# Altium PCB V5_CORE_V1.6.PcbDoc (part 2 of 3)
Units mm, origin at the board's own origin, x right, y up, seen from the top; angles counter-clockwise.
Board outline 33.75 x 33.75 mm, 6 copper layers (Top Layer, GND, S1, S2, POWER, Bottom Layer), stack 1.231 mm thick; 143 components, 224 nets, 730 pads, 388 vias.
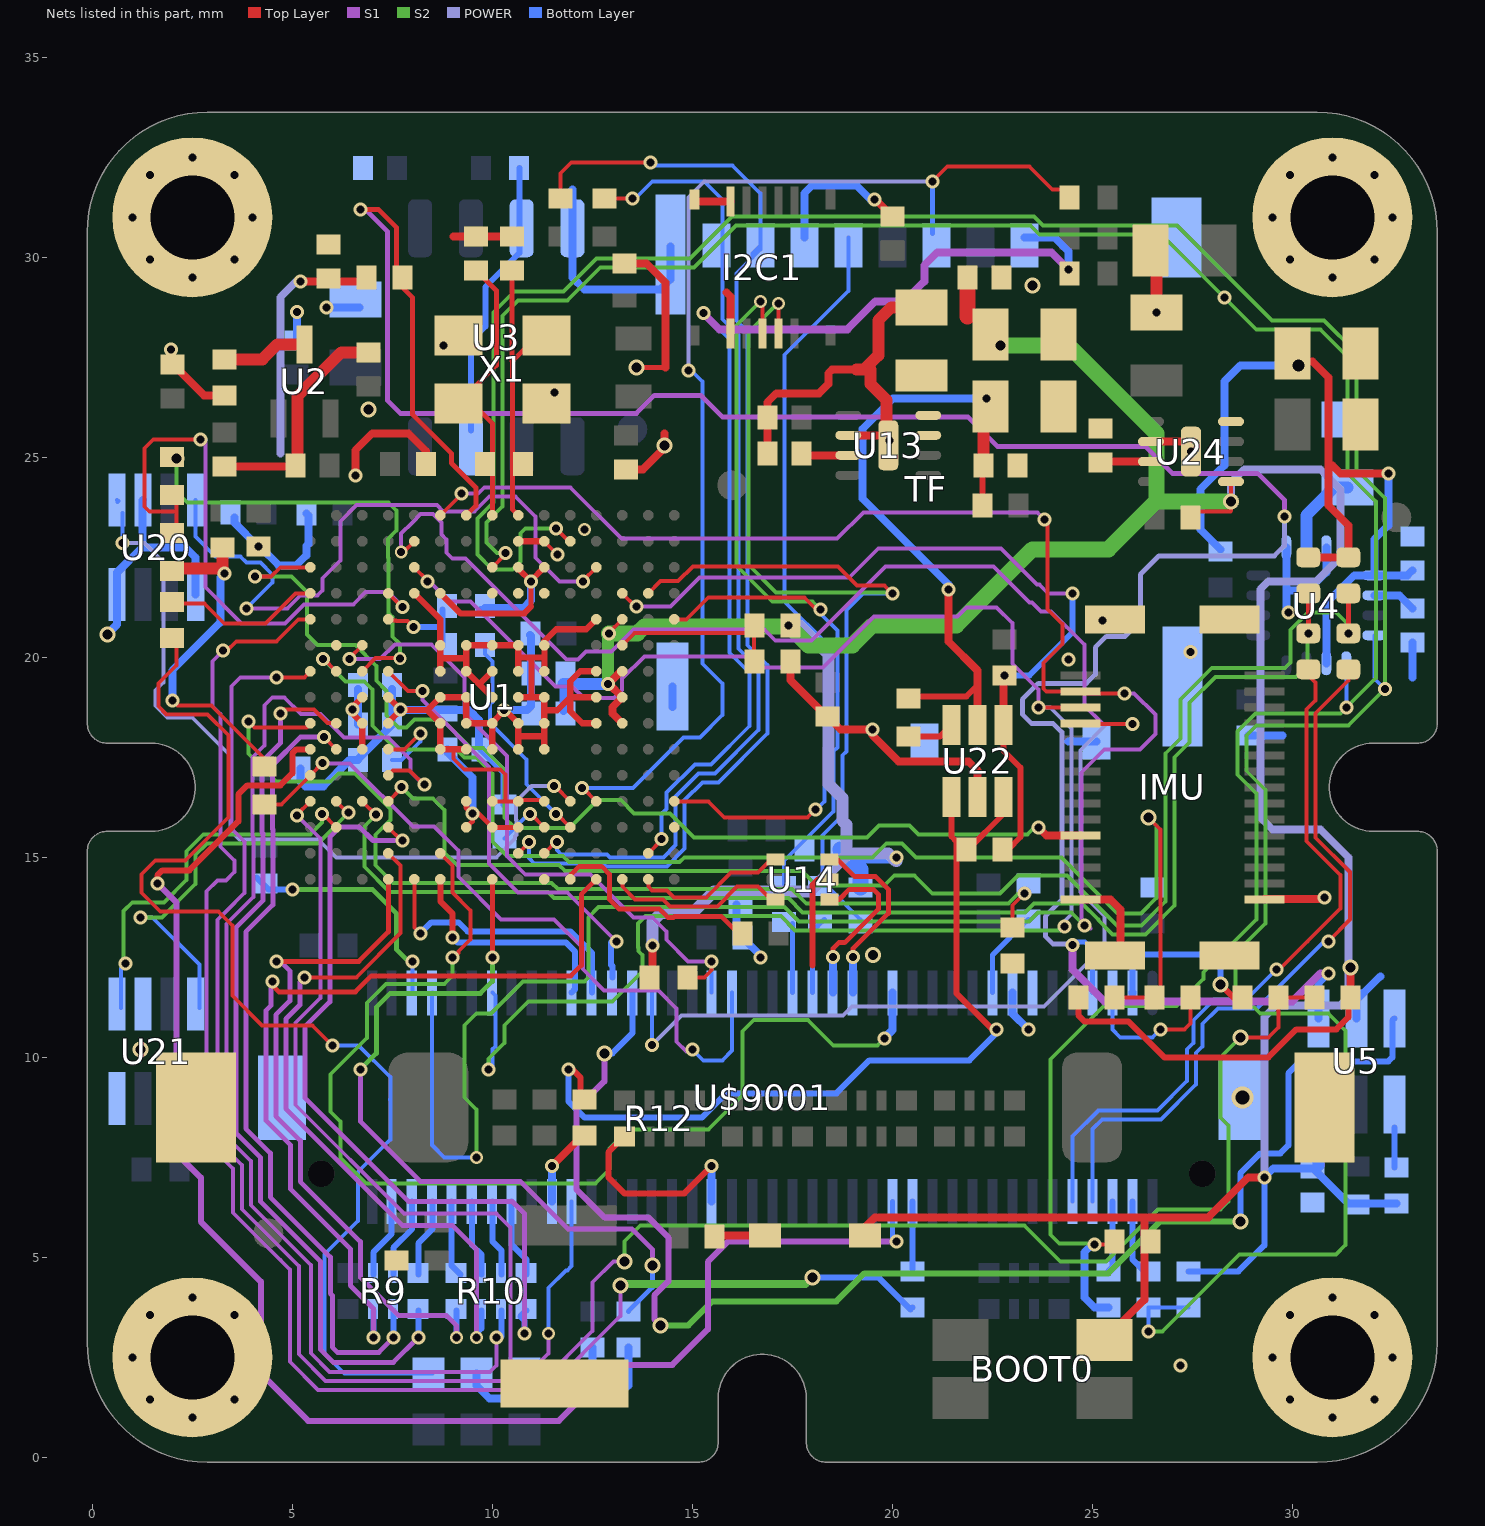
[diagram p6: the nets of this part, all layers, seen from the top]

## Via types
v1: diameter 0.35, hole 0.2, Top Layer to Bottom Layer, tented both sides, 328 vias
v2: diameter 0.4, hole 0.25, Top Layer to Bottom Layer, tented both sides, 32 vias
v3: diameter 0.325, hole 0.2, Top Layer to Bottom Layer, tented both sides, 19 vias
v4: diameter 0.5, hole 0.3, Top Layer to Bottom Layer, tented both sides, 2 vias
v5: diameter 0.4, hole 0.2, Top Layer to Bottom Layer, tented both sides, 2 vias
v6: diameter 0.55, hole 0.35, Top Layer to Bottom Layer, tented both sides, 2 vias
v7: diameter 0.45, hole 0.25, Top Layer to Bottom Layer, tented both sides, 1 vias
v8: diameter 0.32, hole 0.2, Top Layer to Bottom Layer, tented both sides, 1 vias
v9: diameter 0.3, hole 0.2, Top Layer to Bottom Layer, tented both sides, 1 vias

## Nets (pads, with @x,y where several pads share a name; then routed paths per layer and width w, separated by ;. In a path a pad name is that pad's centre, name@x,y a point inside that pad or via, vN(x,y) a via of type N, cw(c..) or ccw(c..) an arc to the next point about the centre after c; other vN are vias at no path point) (continued)
FMU_CH2: R9.3 U1.D15 | length 21.2
  Top Layer w0.125: v1(4.5,11.9) 4.5,11.8 4.663,11.637 6.577,11.637 6.977,12.038 11.963,12.038 12.225,12.3 12.225,14.075 U1.D15@12.6,14.45
  S1 w0.125: v1(4.5,11.9) 4.462,11.862 4.462,11.289 4.337,11.164 4.337,8.423 4.95,7.811 4.95,6.711 6.45,5.211 6.45,4.296 7.025,3.721 v1(7.025,3)
  Bottom Layer w0.15: v1(7.025,3) R9.3@7.025,3.675
FMU_CH2-PROT: R9.6 U$9001.78 | length 2
  Bottom Layer w0.15: R9.6@7.025,4.575 7.025,5.125 7.486,5.586 U$9001.78@7.486,6.4
FMU_CH3: R9.2 U1.P10 | length 20.3
  Top Layer w0.1: v1@5.764,18.036 v1(5.789,18.011) U1.P10@6.1,17.7
  S1 w0.125: v1(5.789,18.011) 5.211,18.011 4.505,17.305 4.505,15.703 4.513,15.695 4.513,13.81 3.837,13.135 3.837,8.216 4.45,7.604 4.45,6.504 5.95,5.004 5.95,4.089 6,4.039 6,2.754 6.129,2.625 7.163,2.625 7.525,2.987 v1(7.525,3) ; v1@5.827,18.011 v1@5.827,18.097
  Bottom Layer w0.15: v1(7.525,3) R9.2@7.525,3.675
FMU_CH3-PROT: R9.7 U$9001.76 | length 2
  Bottom Layer w0.15: R9.7@7.525,4.575 7.525,5.236 7.994,5.705 U$9001.76@7.994,6.4
FMU_CH4: R9.1 U1.P9 | length 22.3
  Top Layer w0.1: v1@4.71,18.69 5.548,18.69 5.877,18.361 6.1,18.361 U1.P9@6.1,18.35
  S1 w0.125: v1(4.7,18.6) 4.7,17.854 4.237,17.391 4.237,15.617 4.263,15.592 4.263,13.913 3.587,13.238 3.587,8.113 4.2,7.5 4.2,6.4 5.7,4.9 5.7,2.7 6.025,2.375 7.529,2.375 8.15,2.996 v1(8.15,3)
  Bottom Layer w0.15: v1(8.15,3) R9.1@8.15,3.675
FMU_CH4-PROT: R9.8 U$9001.74 | length 2
  Bottom Layer w0.15: R9.8@8.15,4.575 8.15,5.35 8.502,5.702 U$9001.74@8.502,6.4
FMU_CH5: R10.4 U1.M15 | length 17.4
  Top Layer w0.125: v1(4.6,12.4) 6.664,12.4 7.4,13.136 U1.M15@7.4,14.45
  S1 w0.125: v1(4.6,12.4) 4.7,12.4 4.937,12.162 4.937,11.411 4.587,11.061 4.587,8.527 5.2,7.914 5.2,6.888 6.7,5.388 6.7,4.5 7.65,3.55 8.85,3.55 9.1,3.3 v3(9.1,3)
  Bottom Layer w0.15: v3(9.1,3) R10.4@9.1,3.675
FMU_CH5-PROT: R10.5 U$9001.72 | length 1.9
  Bottom Layer w0.15: U$9001.72@8.985,6.4 8.985,4.79 R10.5@9.2,4.575
FMU_CH6: R10.3 U1.M14 | length 17.5
  Top Layer w0.1: v1(5.3,12) 6.6,12 7.71,13.11 7.71,14.79 U1.M14@7.4,15.1
  S1 w0.125: v1(5.3,12) 5.187,11.887 5.187,11.307 4.837,10.957 4.837,8.715 7.752,5.8 9,5.8 9.6,5.2 v3(9.6,3)
  Bottom Layer w0.15: v3@9.6,3.1 9.725,3.225 R10.3@9.725,3.675
FMU_CH6-PROT: R10.6 U$9001.70 | length 1.9
  Bottom Layer w0.15: U$9001.70@9.493,6.4 9.493,5.307 9.725,5.075 R10.6@9.725,4.575
FMU_CH7: R10.2 U1.M11 | length 30.1
  Top Layer w0.1: U1.M11@7.4,17.05 7.515,17.165 7.935,17.165 8.283,16.817 v1(8.3,16.817)
  S1 w0.1: v1(8.3,16.817) 8.283,16.817 7.95,17.15 7.95,17.45 7.4,18 6.295,18 5.709,18.586 5.214,18.586 4.8,19 4.5,19 4.3,18.8 4.3,17.789 4,17.489 4,15.518 4.025,15.493 4.025,14.012 3.35,13.337 3.35,8.014 3.962,7.402 3.962,6.302 5.463,4.802 5.463,2.602 5.927,2.138 9.938,2.138 10.1,2.3 v1(10.1,3)
  Bottom Layer w0.15: v1(10.1,3) 10.2,3 10.225,3.025 R10.2@10.225,3.675
FMU_CH7-PROT: R10.7 U$9001.68 | length 1.9
  Bottom Layer w0.15: U$9001.68@10.001,6.4 10.001,5.399 10.225,5.175 R10.7@10.225,4.575
FMU_CH8: R10.1 U1.M13 | length 19.7
  Top Layer w0.1: U1.M13@7.4,15.75 7.733,15.417 v1(7.752,15.417)
  S1 w0.125: v1(7.752,15.417) 7.017,15.417 6.675,15.76 6.198,15.76 5.938,15.5 5.938,11.386 5.312,10.761 5.312,8.988 7.9,6.4 10.493,6.4 10.8,6.093 v1(10.8,3.1)
  Bottom Layer w0.15: v1(10.8,3.1) 10.8,3.425 10.7,3.525 R10.1@10.85,3.675
FMU_CH8-PROT: R10.8 U$9001.66 | length 2
  Bottom Layer w0.15: U$9001.66@10.483,6.4 10.483,5.317 10.85,4.95 R10.8@10.85,4.575
FMU_RESET: U5.3 U$9001.53 | length 34.6
  S1 w0.15: v2(12.8,10.1) 12.8,9.4 12.1,8.7 12.1,6.7 12.8,6 13.9,6 14.4,5.5 14.4,4.4 14.05,4.05 14.05,3.45 v2(14.2,3.3)
  S2 w0.15: v2(14.2,3.3) 14.9,3.3 15.5,3.9 18.6,3.9 19.3,4.6 25.4,4.6 26.7,5.9 v2(28.7,5.9)
  Bottom Layer w0.15: v2(12.8,10.1) 13,10.1 13.501,10.601 U$9001.53@13.501,11.608 ; v2(28.7,5.9) 28.7,7.1 29.2,7.6 29.7,7.6 29.9,7.8 29.9,9.6 30.2,9.9 32.4,9.9 32.5,10 32.5,10.925 U5.3@32.55,10.975
GND: C1.1 C2.1 C3.2 C4.2 C5.1 C6.1 C7.1 C8.1 C9.1 C10.1 C11.1 C12.C C13.1 C14.2 C15.2 C16.2 C17.C C18.1 C19.2 C20.2 C21.2 C22.2 C30.2 C31.2 C32.1 C33.1 C34.1 C46.2 C47.1 C48.1 C52.2 C54.2 C55.2 C62.1 C63.1 C69.2 C70.2 C71.1 C72.2 C73.2 D5.2 I2C1.1 I2C1.10 IMU.1 IMU.30 pad.0 R3.2 R4.1 R6.1 R13.2 R14.2 R18.2 R33.1 R36.1 R63.2 R64.2 R70.2 R72.1 R74.1 R77.1 TF.6 TF.9 U1.D5 U1.D7 U1.D8 U1.D9 U1.F2 U1.F6 U1.F7 U1.F8 U1.F9 U1.F10 U1.F12 U1.G2 U1.G6 U1.G7 U1.G8 U1.G9 U1.G10 U1.G12 U1.H6 U1.H7 U1.H8 U1.H9 U1.H10 U1.H12 U1.J6 U1.J7 U1.J8 U1.J9 U1.J10 U1.K6 U1.K7 U1.K8 U1.K9 U1.K10 U1.L4 U1.M8 U1.M9 U3.4 U4.9 U4.11 U5.2 U13.2 U14.2 U20.2 U20.5 U20.8 U21.2 U21.5 U21.8 U22.2 U24.2 U$9001.13 U$9001.15 U$9001.GND X1.2 X1.4 | length 116.8
  Top Layer w0.1: 8.367,18.683 8.383,18.683 ; 9.025,17.7 9.025,17.475 9.3,17.2 10.2,17.2 10.325,17.075 10.325,16.4 ; U1.H12@10,16.4 10.325,16.4 ; U1.F12@11.267,16.433 10.683,16.433 U1.G12@10.65,16.4 10.325,16.4 ; U1.F2@11.3,22.9 v1(11.625,22.575)
  Top Layer w0.125: v2(13.6,27.25) 14.325,27.25
  Top Layer w0.15: 10.65,20 10.975,20 ; 10.975,19 10.975,20 ; U1.F7@11.3,19.65 11.3,20 ; U1.F6@11.3,20.3 11.3,20 ; 18,12.3 18,14.3 18.141,14.441 U14.2@18.435,14.441 ; 10.975,20 11.3,20
  Top Layer w0.154: U1.M9@7.4,18.378 v1(7.711,18.689) U1.M8@7.4,19 ; v1@7.733,18.683 8.367,18.683 U1.K9@8.7,18.35 U1.K10@8.7,17.7 9.025,17.7 U1.J10@9.35,17.7 ; U1.L4@8.05,21.6 8.7,20.95 U1.K6@8.7,20.3 8.7,19.975 ; 8.383,18.683 U1.K8@8.7,19 U1.J8@9.35,19 U1.J9@9.35,18.35 U1.H9@10,18.35 U1.H10@10,17.7 ; U1.K7@8.7,19.65 8.7,19.975 ; 9.65,19.35 U1.J7@9.35,19.65 9.35,19.975 ; U1.H9@10,18.365 10.317,18.683 U1.G9@10.65,18.35 10.65,18.025 ; U1.H8@10,19 9.7,19.3 9.7,19.35 U1.H7@10,19.65 ; U1.G10@10.65,17.7 10.65,18.025 ; U1.G8@10.65,19 10.975,19 U1.F8@11.3,19 11.3,18.675 ; U1.G7@10.65,19.65 U1.G6@10.65,20.3 U1.H6@10,20.3 U1.J6@9.35,20.3 9.35,19.975 ; U1.G2@10.65,22.9 U1.F2@11.3,22.9 ; U1.F10@11.3,17.7 11.3,18.025 ; U1.F6@11.3,20.4 11.6,20.7 12.35,20.7 U1.D5@12.6,20.95 ; U1.D9@12.6,18.35 12.25,18.35 11.95,18.65 11.95,19 ; U1.D8@12.6,19 11.95,19 ; U1.D7@12.6,19.65 12.2,19.65 11.95,19.4 11.95,19 ; 8.7,19.975 9.35,19.975 ; 10.65,18.025 11.3,18.025 ; 11.3,18.025 U1.F9@11.3,18.35 11.3,18.675 ; 11.3,18.675 11.625,18.675 11.95,19
  Top Layer w0.2: C33.1@2,27.325 2.018,27.325 2.793,26.55 R33.1@3.3,26.55 ; C46.2@3.3,24.775 5.05,24.775 C48.1@5.075,24.8 ; v1(6.575,24.55) 6.575,25.175 7,25.6 7.9,25.6 8.348,25.152 R4.1@8.348,24.836 ; 9.025,30.525 C2.1@9.596,30.525 C1.1@10.496,30.525 ; U1.H9@10,18.35 U1.H9@10,18.365 ; C20.2@13.304,29.85 13.85,29.85 14.325,29.375 14.325,27.25 ; C21.2@13.346,24.7 13.767,24.7 14.3,25.233 v2(14.3,25.3) 14.3,25.6 ; I2C1.10@15.05,31.45 15.1,31.4 I2C1.10@15.95,31.4 ; 15.85,29.125 15.95,29.025 I2C1.1@15.95,28.1 ; C31.2@16.875,25.1 C32.1@16.875,26 16.875,26.375 17.1,26.6 17.834,26.6 18.166,26.6 18.4,26.834 18.4,27.1 18.498,27.198 19.025,27.198 19.027,27.2 19.1,27.2 ; R3.2@17.45,19.9 17.45,19.432 18.357,18.525 C63.1@18.375,18.525 18.7,18.2 v1(19.5,18.2) 19.5,18.057 20.157,17.4 21.9,17.4 22.131,17.169 U22.2@22.131,16.508 ; U13.2@18.9,25.55 U13.2@19.65,25.55 ; v1(19.55,31.45) 19.55,31.475 C34.1@20,31.025 ; U13.2@19.85,25.35 U13.2@19.9,25.3 ; IMU.30@24.7,13.95 25.45,13.95 25.7,13.7 25.7,12.68 IMU.1@25.57,12.55 ; C55.2@26.45,30.175 C55.2@26.6,30.025 ; U24.2@26.467,25.392 U24.2@27.217,25.392 ; IMU.1@29.3,13.95 30.751,13.951 v1(30.8,14)
  Top Layer w0.3: C48.1@5.075,24.8 5.125,24.85 5.125,26.525 6.225,27.625 C47.1@6.9,27.625 ; 19.1,27.2 19.45,27.2 19.45,26.836 19.85,26.436 19.85,25.35 U13.2@19.85,25.25 ; 19.3,27.2 19.65,27.55 19.65,28.425 19.975,28.75 C14.2@20.725,28.75 ; v1(26.6,28.625) C55.2@26.6,30.025
  Bottom Layer w0.2: v2(0.375,20.575) 0.621,20.821 U20.8@0.621,21.566 0.621,22.121 1.25,22.75 ; U20.2@1.271,23.934 1.25,23.914 1.25,22.75 ; U20.5@2.586,21.566 2.575,21.577 2.575,22.5 2.325,22.75 1.25,22.75 ; R63.2@3.55,23.5 3.55,23.366 v1(4.151,22.765) 4.197,22.765 4.662,22.3 5.1,22.3 5.35,22.55 5.35,22.784 5.4,22.834 5.4,23.55 R13.2@5.35,23.6 ; C71.1@5.12,27.809 v1(5.12,28.629) ; R36.1@5.2,17.225 5.2,16.9 5.325,16.775 5.775,16.775 6.429,17.429 C3.2@6.647,17.429 6.647,17.45 7.151,17.954 7.151,17.972 C11.1@7.497,18.318 C7.1@7.497,19.207 ; v1(5.855,28.75) C54.2@6.675,28.75 ; v1@7.711,18.683 9.417,18.683 9.673,18.427 9.673,17.752 C9.1@9.725,17.7 10.3,17.125 C4.2@10.3,16.325 ; v1(10.298,18.683) 10.868,18.683 10.965,18.78 10.965,20.533 R6.1@10.94,20.558 ; 12.005,31.695 U3.4@12.005,30.725 12.005,29.495 12.3,29.2 14.2,29.2 14.45,29.45 TF.6@14.45,30.075 TF.6@14.45,30.275 ; TF.6@14.5,18.754 TF.6@14.5,19.275 ; R74.1@16.1,13.825 16.1,13.15 R14.2@16.25,13 v1@16.725,12.525 ; TF.6@17.8,30.5 17.8,31.6 18,31.8 19.1,31.8 19.45,31.45 v1(19.55,31.45) ; U$9001.15@23.002,11.608 23.002,11.098 v1(23.4,10.7) ; U$9001.15@23.007,11.608 U$9001.15@23.007,11.616 ; 24.4,17.9 TF.9@25.1,17.9 ; R18.2@28.9,18.05 29.75,18.05 ; U4.9@29.85,22.75 29.85,21.675 ; v1(29.9,21.125) 29.85,21.175 29.85,21.675 ; U4.11@30.85,22.75 30.85,22.125 30.4,21.675 29.85,21.675 ; U5.2@31.6,10.975 31.6,11.425 32.2,12.025 ; 33,19.5 C18.1@33,20.375
  other v1: 2.5,1 31,1 1.439,1.439 3.561,1.439 29.939,1.439 32.061,1.439 27.2,2.3 1,2.5 29.5,2.5 32.5,2.5 1.439,3.561 3.561,3.561 29.939,3.561 32.061,3.561 2.5,4 31,4 16.7,12.5 24.4,19.95 27.451,20.126 25.25,20.925 27.467,25.142 19.925,25.425 11.55,26.625 1.97,27.695 8.775,27.8 2.5,29.5 31,29.5 1.439,29.939 3.561,29.939 29.939,29.939 32.061,29.939 1,31 4,31 29.5,31 32.5,31 1.439,32.061 3.561,32.061 29.939,32.061 32.061,32.061 2.5,32.5 31,32.5
  other v2: 1.2,10.2 19.521,12.558 6.9,26.2 23.5,29.3
  other v3: 12.3,23.2
  other v6: 28.752,8.992
GPIO_CAN1_RX: U1.D3 U20.4 | length 16.8
  Top Layer w0.1: v1(12.267,21.898) 12.267,21.917 U1.D3@12.6,22.25
  S1 w0.1: v1(3.85,21.225) 4.875,21.225 5.2,21.55 5.625,21.55 5.75,21.675 5.75,21.975 6.2,22.425 6.2,23.4 6.601,23.801 8.614,23.801 8.765,23.65 9.55,23.65 9.925,24.025 10.575,24.025 11.075,23.525 11.075,22.5 11.677,21.898 v1(12.267,21.898)
  Bottom Layer w0.1: U20.4@2.586,23.934 2.586,23.014 3.075,22.525 3.7,22.525 3.861,22.364 4.209,22.364 4.5,22.073 4.5,21.875 v1(3.85,21.225)
GPIO_CAN1_SILENT_S0: U1.F4
GPIO_CAN1_TX: U1.E12 U20.1 | length 20.2
  Top Layer w0.1: v1(11.546,16.783) 11.567,16.783 U1.E12@11.95,16.4
  POWER w0.1: v1(0.75,22.851) 1.301,22.851 1.775,22.377 1.775,19.375 1.575,19.175 1.575,18.8 1.875,18.5 2.5,18.5 3.45,17.55 3.45,15.675 3.675,15.45 5.65,15.45 6.1,15 10.1,15 10.567,15.467 10.567,15.528 10.6,15.56 10.6,15.935 10.598,15.938 10.598,16.398 10.983,16.783 v1(11.546,16.783)
  Bottom Layer w0.1: U20.1@0.621,23.934 0.65,23.905 U20.1@0.625,23.88 ; v1(0.75,22.851) U20.1@0.75,23.605
GPIO_CAN2_RX: U1.P12 U21.4 | length 10.2
  Top Layer w0.1: U1.P12@6.1,16.4 v1@6.433,16.067
  S2 w0.1: v1(1.2,13.5) 1.739,13.5 2.575,14.336 2.575,15.057 2.868,15.35 5.639,15.35 v1(6.412,16.123)
  Bottom Layer w0.1: v1(1.2,13.5) 1.5,13.5 2.686,12.314 U21.4@2.686,11.234
GPIO_CAN2_SILENT_S1: U1.G4
GPIO_CAN2_TX: U1.P13 U21.1 | length 9.6
  Top Layer w0.1: v1(5.748,16.083) 5.767,16.083 U1.P13@6.1,15.75
  S2 w0.1: v1(0.825,12.35) 0.778,12.397 0.778,13.653 1,13.875 1.795,13.875 2.35,14.43 2.35,15.15 2.775,15.575 5.45,15.575 5.748,15.873 v1(5.748,16.083)
  Bottom Layer w0.1: U21.1@0.721,11.234 0.721,12.221 0.825,12.325 v1(0.825,12.35)
  Bottom Layer w0.125: v1(0.825,12.35) 0.85,12.35 v1@0.9,12.3
GPIO_CAN3_RX: U1.F15
GPIO_CAN3_SILENT_S2: U1.H4
GPIO_CAN3_TX: U1.A13
GPIO_HW_VER_DRIVE: R67.1 U1.N7 | length 11.5
  Top Layer w0.1: U1.N7@6.75,19.65 7.086,19.986 v3@7.69,19.986
  S2 w0.1: v2(2.1,24.975) 2.1,24.15 2.375,23.875 7.4,23.875 7.6,23.675 7.6,23.175 7.388,22.963 7.388,22.49 7.4,22.477 7.4,21.106 7.5,21.006 7.5,20.525 7.69,20.335 v3(7.69,19.975)
GPIO_OTGFS_VBUS: R8.1 U1.E15 | length 5.6
  Top Layer w0.125: U1.E15@11.95,14.45 11.95,14.55 12.173,14.773 12.734,14.773 12.927,14.579 12.927,13.948 13.162,13.713 14.175,13.713 14.388,13.5 14.527,13.5 14.55,13.523 15.727,13.523 R8.1@16.25,13
GPIO_PPM_IN: R23.1 R47.2 U1.C4 U22.4 | length 20.3
  Top Layer w0.1: U1.C4@13.25,21.6 13.583,21.267 13.59,21.275 v1(13.61,21.275)
  Top Layer w0.15: R23.1@22.75,15.2 22.9,15.2 23.206,15.506 23.206,17.24 22.781,17.665 U22.4@22.781,18.308
  Top Layer w0.2: U22.4@22.781,18.308 R47.2@22.781,19.469
  S1 w0.1: v1(13.61,21.275) 14.457,21.275 15.182,22 18.925,22 19.65,22.725 22.72,22.725 23.62,21.825 23.675,21.825 23.9,21.6 v1(24.5,21.6)
  Bottom Layer w0.15: v1(22.8,19.55) 23.43,19.55 24.5,20.62 v1(24.5,21.6)
GPIO_SPI5_MISO: IMU.18 U1.L3 U$9001.67 | length 46.7
  Top Layer w0.1: U1.L3@8.05,22.25 v1@8.383,21.917 ; v1(23.65,18.75) IMU.18@24.7,18.75
  S1 w0.1: v1@8.402,21.917 8.92,21.4 9.45,21.4 11.575,19.275 11.998,19.275 12.29,18.983 13.043,18.983 13.248,19.188 13.248,19.466 13.807,20.025 16.52,20.025 16.795,19.75 18.266,19.75 19.541,21.025 20.238,21.025 21.63,21.025 21.855,21.25 22.604,21.25 23,20.854 23,19.845 23.65,19.195 v1(23.65,18.75)
  S2 w0.1: v1(9.9,9.7) 9.9,9.951 10.3,10.351 10.3,10.8 10.9,11.4 13,11.4 13.75,12.15 13.75,12.555 13.65,12.655 13.65,12.745 13.647,12.747 13.647,13.347 13.827,13.527 17.218,13.527 17.57,13.175 24.2,13.175 v1(24.3,13.275)
  POWER w0.1: v1(23.65,18.75) 23.95,18.75 24.475,18.225 24.475,13.566 24.3,13.391 v1(24.3,13.275)
  Bottom Layer w0.1: v1@10.001,9.7 10.001,10.201 10.075,10.275 10.075,11.542 U$9001.67@10.001,11.616
  other v1: 8.377,21.892
GPIO_SPI5_MOSI: IMU.19 U1.L2 U$9001.51 | length 46.6
  Top Layer w0.1: v8(7.723,22.629) 7.779,22.629 U1.L2@8.05,22.9 ; IMU.19@24.7,18.35 24.724,18.326 v1(26.001,18.326)
  S1 w0.1: v8(7.723,22.629) 7.723,23.092 8,23.37 ; 8,23.371 8.205,23.576 8.52,23.576 8.725,23.371 8.725,23.07 8.85,22.946 8.85,22.625 9,22.475 9.33,22.475 11.855,19.95 12.145,19.95 12.345,20.15 12.977,20.15 13.527,20.7 16.8,20.7 17.075,20.425 17.986,20.425 19.836,22.275 22.534,22.275 23.434,21.375 23.489,21.375 23.714,21.15 23.968,21.15 24.8,20.318 24.8,18.8 25.274,18.326 v1(26.001,18.326)
  POWER w0.1: v1(13.989,10.311) 14.727,11.05 18.768,11.05 18.993,11.275 23.797,11.275 25.3,12.778 25.3,13.532 24.7,14.132 24.7,17.672 25.354,18.326 v1(26.001,18.326)
  Bottom Layer w0.1: v1(13.989,10.311) U$9001.51@13.989,11.616
GPIO_SPI5_SCK: IMU.17 U1.K1 U$9001.73 | length 57.5
  Top Layer w0.1: U1.K1@8.7,23.55 9.225,24.075 v1(9.225,24.095) ; v1(23.8,23.45) 23.875,23.375 23.875,21.207 24.25,20.832 24.25,20.332 23.775,19.857 23.775,19.225 23.85,19.15 IMU.17@24.7,19.15 24.75,19.1 v1(25.8,19.1)
  S1 w0.1: v1(9.225,24.095) 9.645,24.095 9.8,24.25 11.95,24.25 13.229,22.971 18.623,22.971 19.277,23.625 23.625,23.625 v1(23.8,23.45) ; v1(24.8,13.3) 24.875,13.225 24.95,13.225 24.725,13.45 24.725,17.125 25.3,17.7 26.189,17.7 26.576,18.088 26.576,18.564 26.04,19.1 v1(25.8,19.1)
  S2 w0.1: v3(9.6,7.5) 9.6,8.7 9.3,9 9.3,10.8 9.6,11.1 9.964,11.1 10.764,11.9 12.3,11.9 12.4,12 12.4,13.5 12.652,13.752 17.311,13.752 17.664,13.4 23.413,13.4 23.638,13.625 24.475,13.625 24.875,13.225 v1(24.8,13.3)
  Bottom Layer w0.1: U$9001.73@8.497,11.608 8.497,7.803 8.8,7.5 v3(9.6,7.5) ; U$9001.73@8.502,11.608 U$9001.73@8.502,11.616
GREEN_LED: R41.1 U1.H15 | length 19.3
  Top Layer w0.125: v1(10,12.5) U1.H15@10,14.45
  S1 w0.125: v1(6.7,9.7) 6.7,8.4 8.2,6.9 10.7,6.9 11.887,5.713 13.487,5.713 14,5.2 v2(14,4.8)
  S2 w0.125: v1(6.7,9.7) 7.1,10.1 7.1,11.254 7.446,11.6 8.898,11.6 9.7,11.6 10,11.9 v1(10,12.5)
  Bottom Layer w0.125: R41.1@13.4,3.65 14,4.25 v2(14,4.8) v2@13.9,4.8
HEATER: IMU.26 U1.R3 | length 27.9
  Top Layer w0: v1@23.6,15.8 v1(23.65,15.75)
  Top Layer w0.1: v1(4.064,22.014) 4.464,22.014 4.7,22.25 U1.R3@5.45,22.25
  Top Layer w0.2: v1(23.65,15.75) 23.85,15.55 IMU.26@24.7,15.55
  S2 w0.1: v1(4.064,22.014) 4.986,22.014 5.365,21.635 5.365,20.575 5.632,20.308 6.579,20.308 7.1,19.787 7.1,19.418 7.361,19.157 7.361,18.544 7.655,18.25 7.855,18.25 8.055,18.45 8.75,18.45 9.463,17.737 9.763,17.737 10.3,17.2 10.3,16 10.567,15.733 11.933,15.733 12.633,16.433 13.213,16.433 13.546,16.1 14.446,16.1 15.046,15.5 19.364,15.5 19.664,15.8 20.431,15.8 20.656,15.575 23.375,15.575 v1@23.6,15.8
HW_REV_DRIVE: R69.1 U1.E13 | length 5.5
  Top Layer w0.1: v1@11.617,16.083 U1.E13@11.95,15.75
  Bottom Layer w0.1: R69.1@9.823,20.311 9.823,20.077 10,19.9 10,18.88 9.948,18.828 9.948,18.352 10.85,17.45 10.85,16.83 v1(11.598,16.083)
HW_REV_SENSE_CH: R68.1 R69.2 U1.M5 | length 2.4
  Top Layer w0.1: U1.M5@7.4,20.95 7.4,20.917 7.589,20.917 7.605,20.901 7.875,20.901 v1(8.025,20.751)
  Bottom Layer w0.15: v1(8.025,20.751) 8.726,20.751 8.752,20.725 ; R69.2@8.752,20.3 R68.1@8.752,21.2
HW_VER_SENSE_CH: R66.1 R67.2 U1.M4 | length 14.7
  Top Layer w0.1: R66.1@2.1,23.175 2.1,23.625 ; R67.2@2.1,24.025 2.1,23.625 ; v1(2.7,25.45) 1.525,25.45 1.3,25.225 1.3,23.775 1.425,23.65 2.075,23.65 2.1,23.625 ; U1.M4@7.4,21.6 7.749,21.251 v1(7.75,21.251)
  S1 w0.1: v1@2.75,25.525 2.825,25.45 2.825,21.755 3.73,20.85 4.818,20.85 5.293,21.325 6.525,21.325 6.826,21.626 7.394,21.626 7.75,21.269 v1(7.75,21.251)
I2C1_SCL: I2C1.3 R29.1 R44.1 U1.A5 | length 22
  Top Layer w0.1: U1.A5@14.55,20.95 14.85,20.95 15.4,21.5 17.8,21.5 18.1,21.2 v1(18.2,21.2) ; v3(16.7,28.9) 16.8,28.9 16.75,28.85 I2C1.3@16.75,28.1